# KiCad board control.kicad_pcb
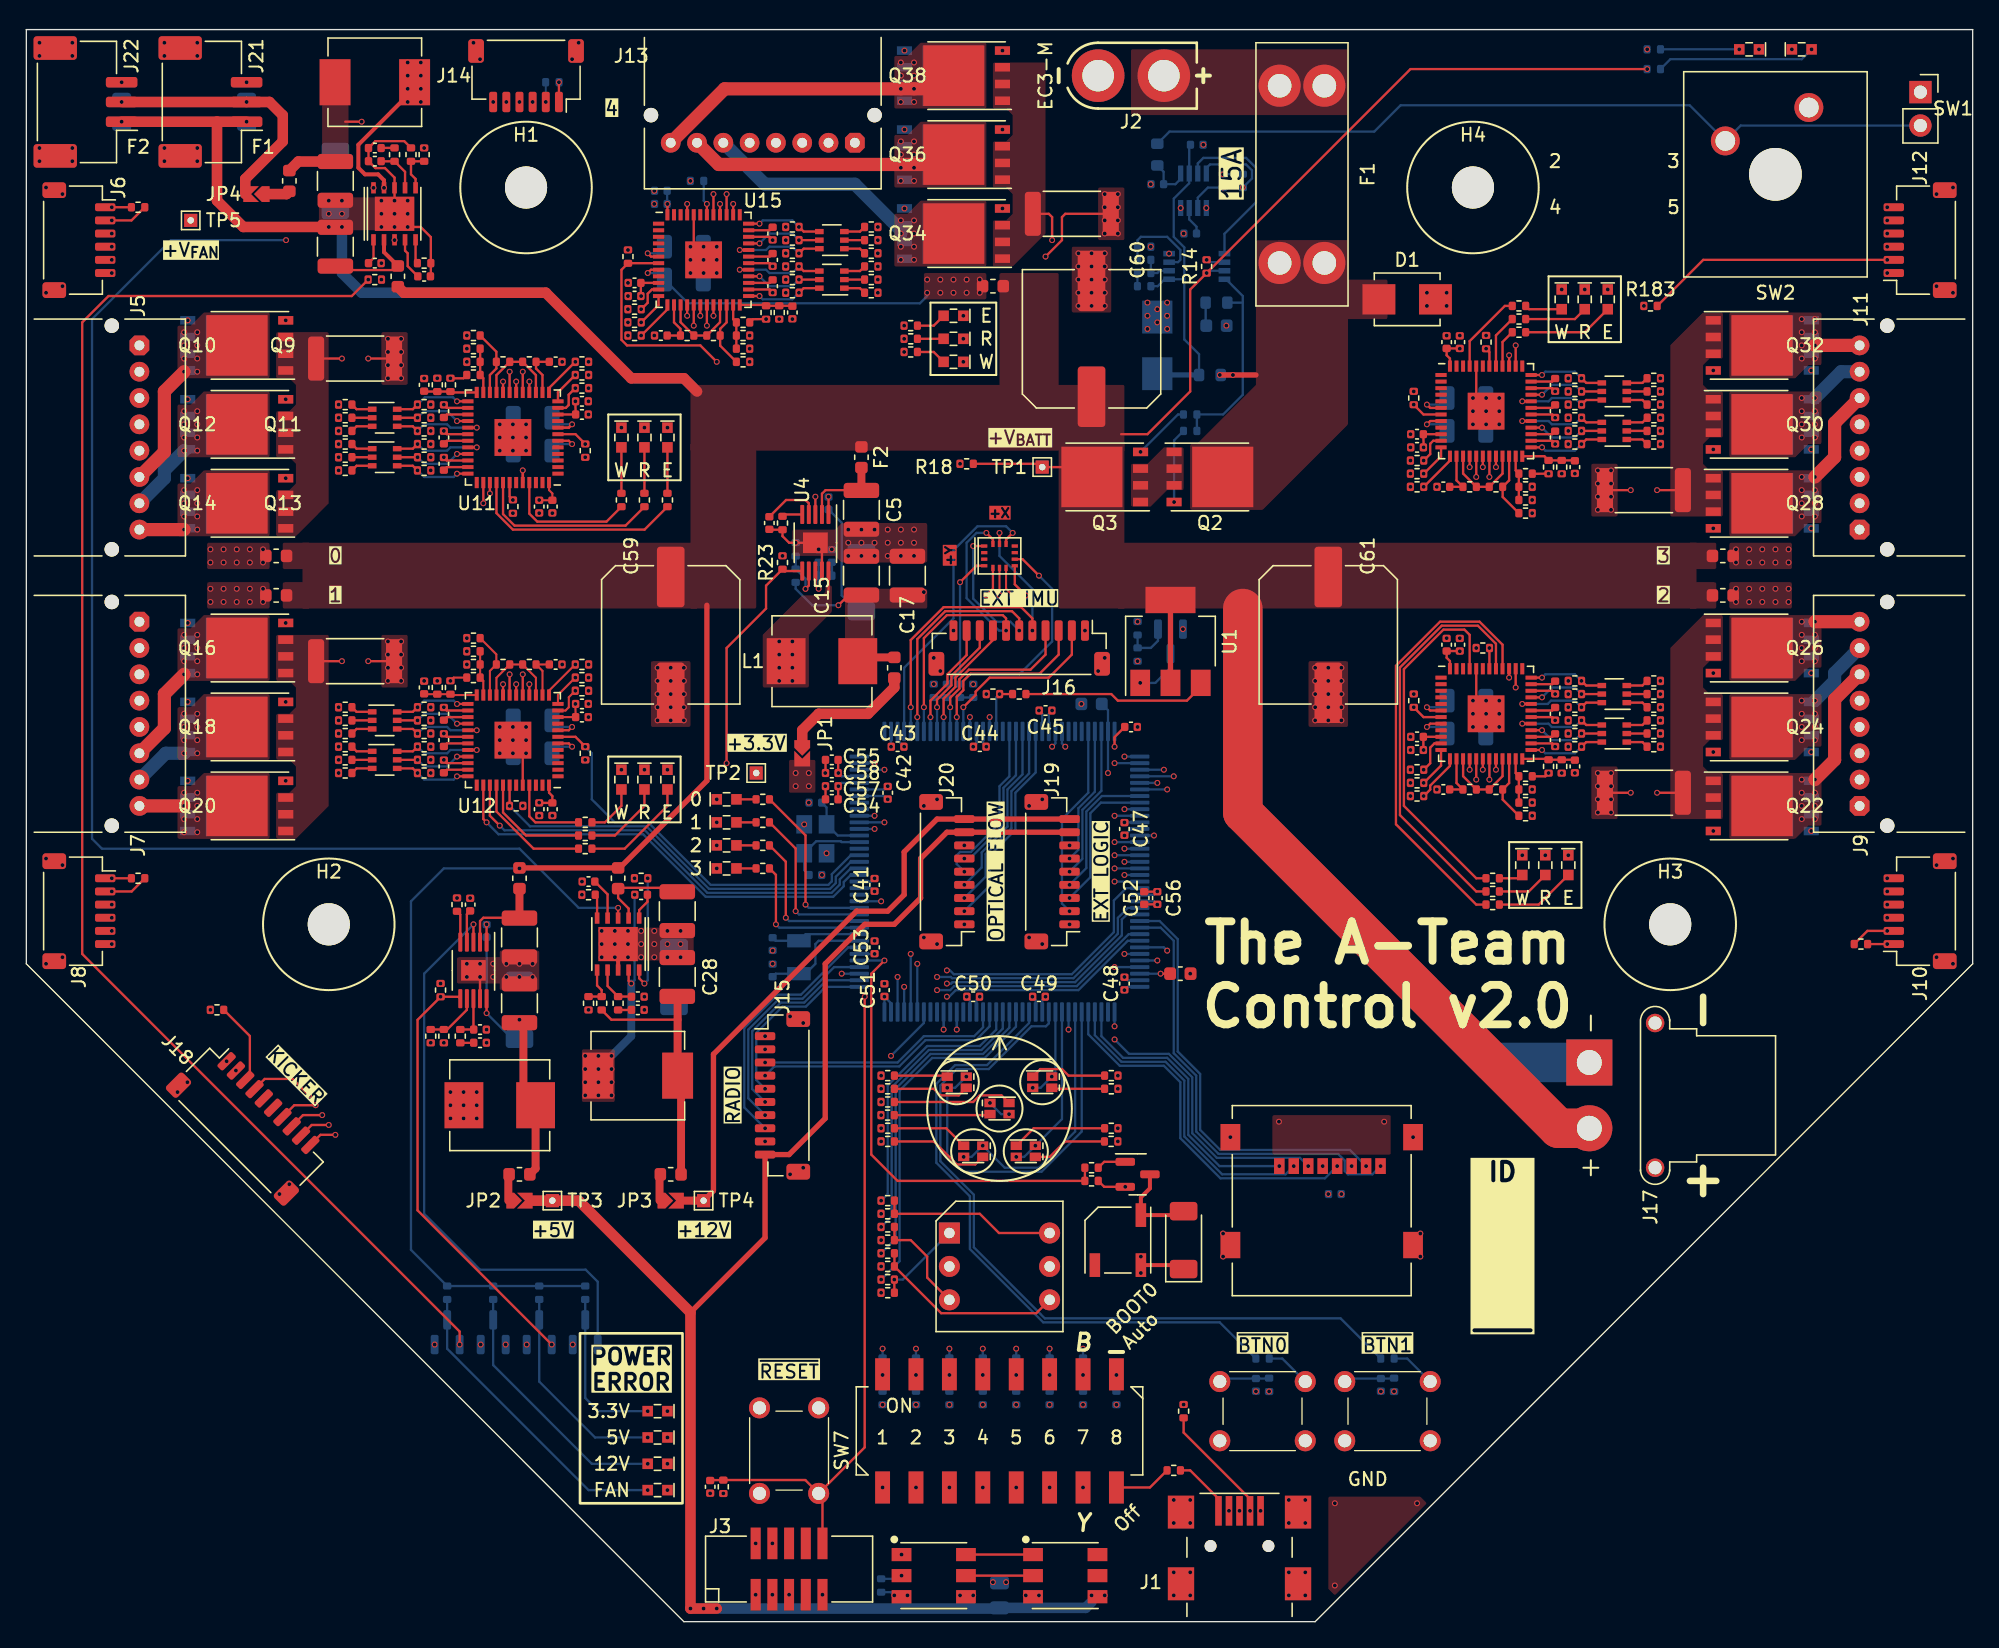
[diagram p0: board, top side]
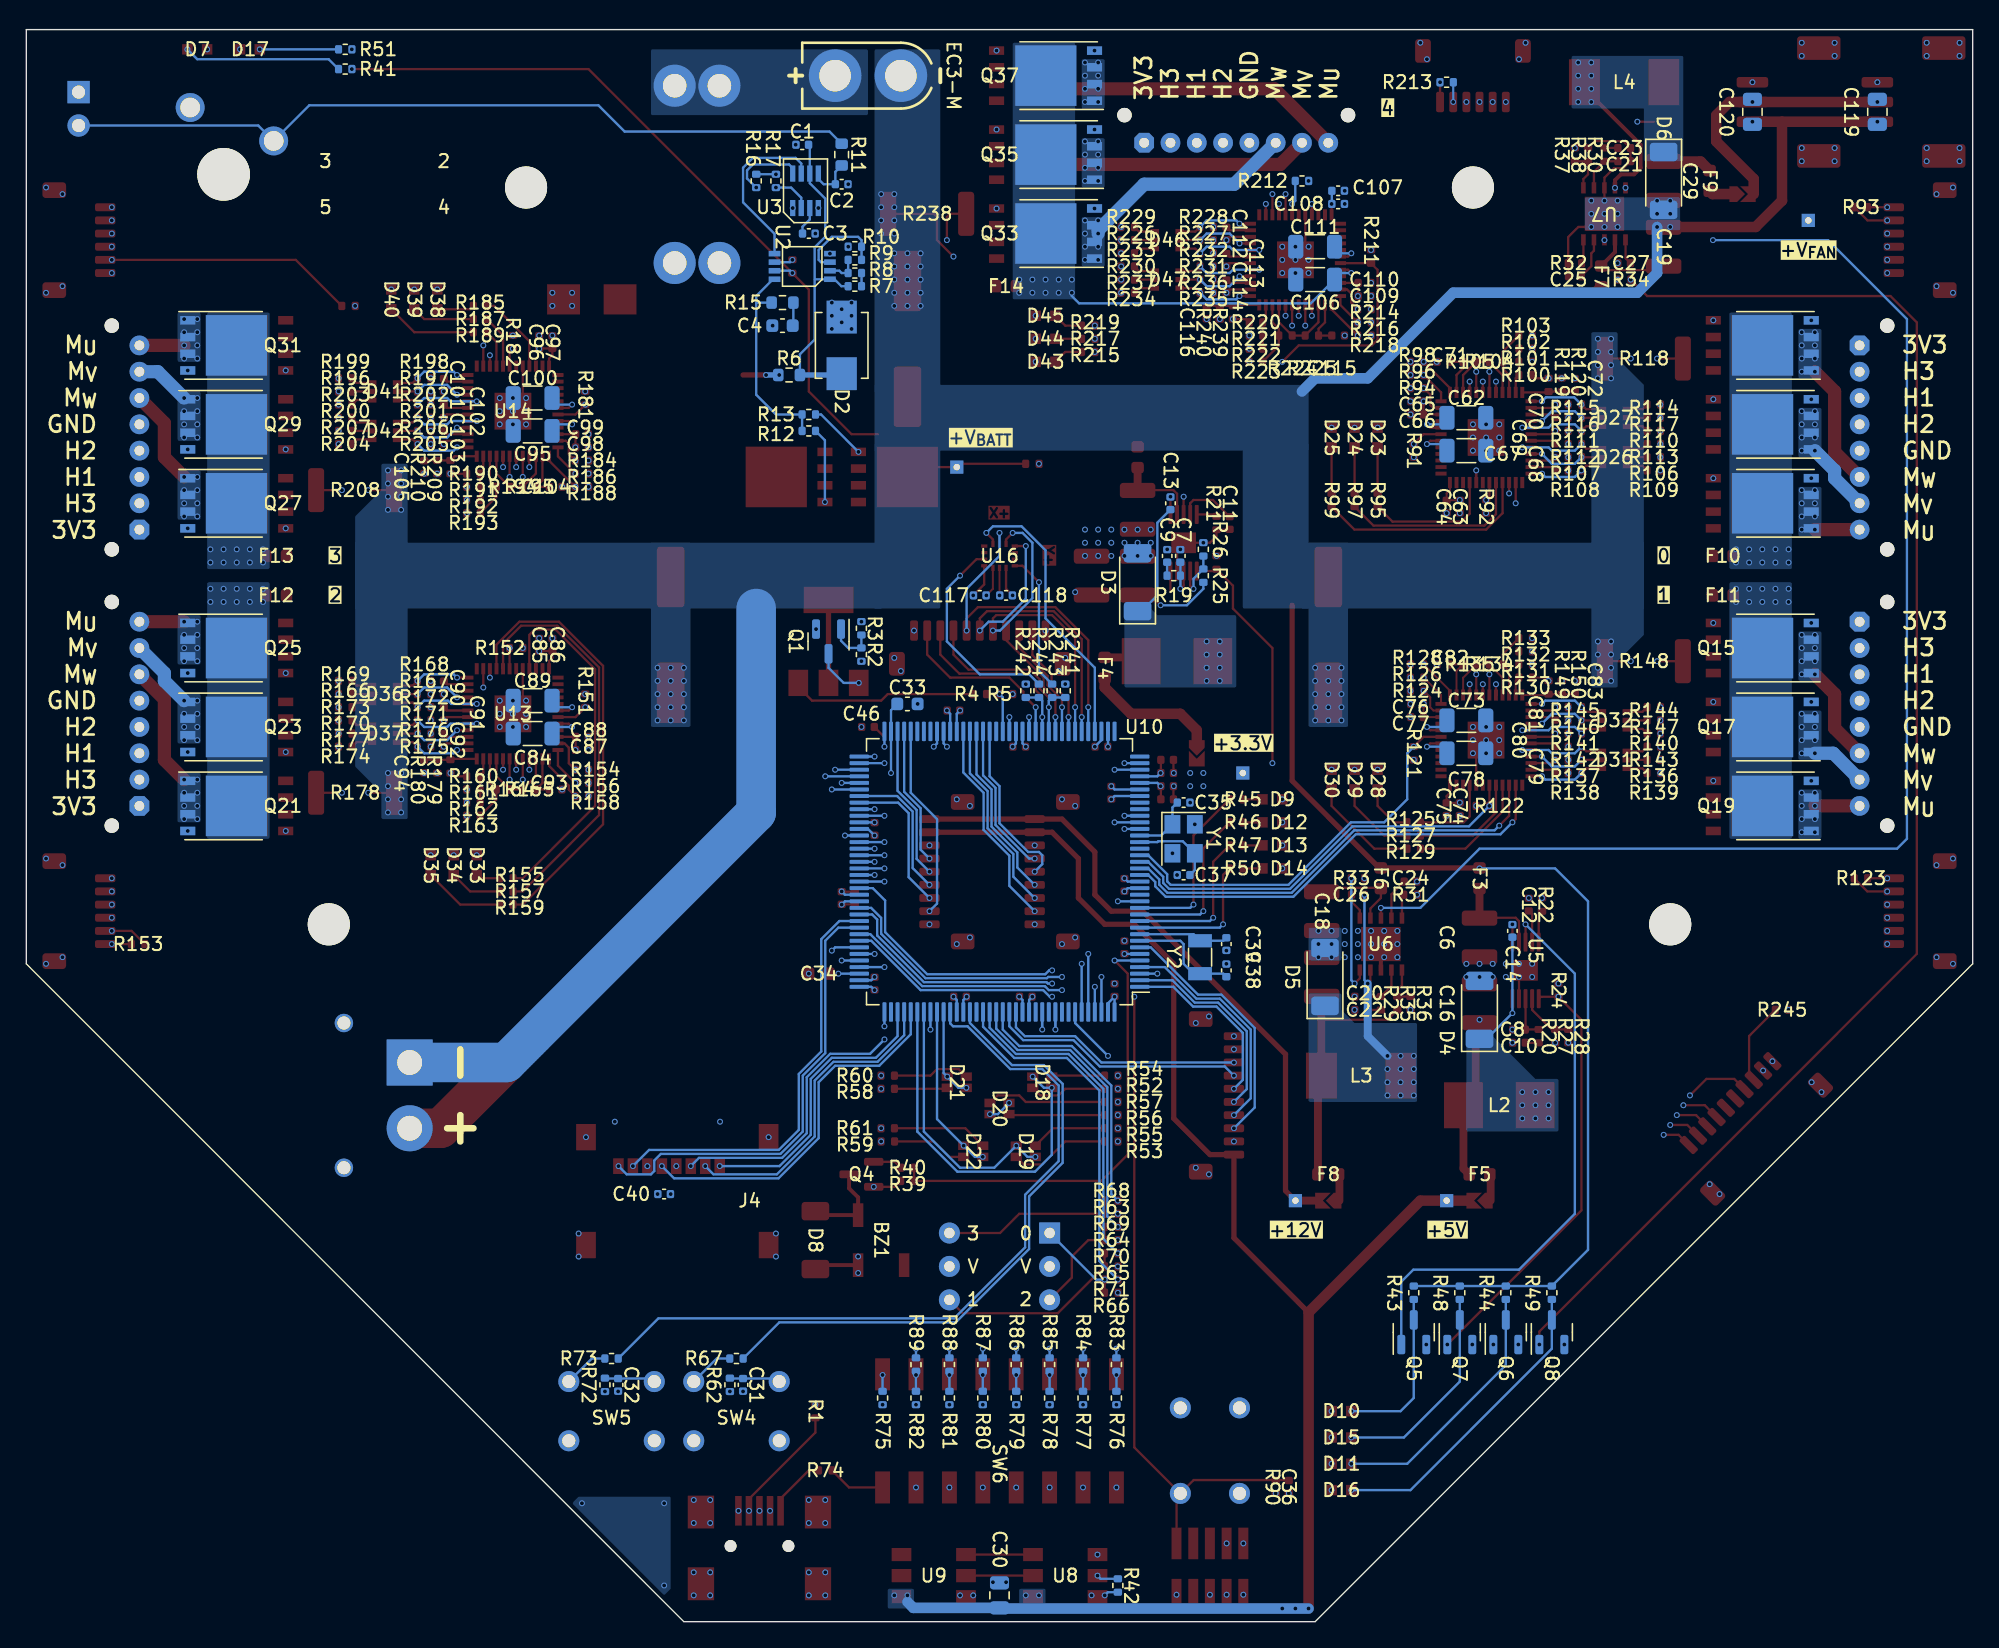
[diagram p1: board, bottom side, seen from below]

Outline 148 x 121 mm; copper layers: Top, In1.Cu, In2.Cu, In3.Cu, In4.Cu, Bottom. Coordinates in mm from the lower left corner of the outline.
Outline path: 0,121 148,121 148,50 98,0 50,0 0,50 0,121
Stack: Top 0.035mm / dielectric 0.0994mm 3313 er 4.05 / In1.Cu 0.0152mm / dielectric 0.535mm Core er 4.6 / In2.Cu 0.0152mm / dielectric 0.1088mm 2116 er 4.25 / In3.Cu 0.0152mm / dielectric 0.535mm Core er 4.6 / In4.Cu 0.0152mm / dielectric 0.0994mm 3313 er 4.05 / Bottom 0.035mm

## Placement (name value [footprint] x y rotation side)
BZ1  -  [MLT-5020]  83 29 90 top
C1  0.1uF 63V  [C_0402_1005Metric]  89 112.25 0 bottom
C2  0.1uF 63V  [C_0402_1005Metric]  86 109.25 180 bottom
C3  0.1uF 63V  [C_0402_1005Metric]  88.5 105.5 180 bottom
C4  4700pF 63V  [C_0603_1608Metric]  90.5 98.5 0 bottom
C5  4.7uF 63V  [C_1210_3225Metric]  63.5 84.5 270 top
C6  4.7uF 63V  [C_1210_3225Metric]  37.5 52 270 top
C7  36pF  [C_0402_1005Metric]  60.25 81 90 bottom
C8  24pF  [C_0402_1005Metric]  34.5 45 0 top
C9  2700pF  [C_0402_1005Metric]  61.25 81 90 bottom
C10  2200pF  [C_0402_1005Metric]  34.5 44 0 top
C11  10000pF  [C_0402_1005Metric]  56.5 83.5 270 top
C12  10000pF  [C_0402_1005Metric]  33.75 54.5 90 top
C13  0.1uF 63V  [C_0402_1005Metric]  61 85 270 bottom
C14  0.1uF 63V  [C_0402_1005Metric]  35 52.5 270 bottom
C15  100uF 10V  [C_1210_3225Metric]  63.5 79.5 90 top
C16  100uF 10V  [C_1210_3225Metric]  37.5 47 90 top
C17  100uF 10V  [C_1210_3225Metric]  67 79.5 90 top
C18  4.7uF 63V  [C_1210_3225Metric]  49.5 54 270 top
C19  4.7uF 63V  [C_1210_3225Metric]  23.5 104.5 90 top
C20  6.8pF  [C_0402_1005Metric]  46.5 47.5 0 top
C21  6.8pF  [C_0402_1005Metric]  26.5 111 180 top
C22  560pF  [C_0402_1005Metric]  46.5 46.5 0 top
C23  560pF  [C_0402_1005Metric]  26.5 112 180 top
C24  8200pF  [C_0402_1005Metric]  42.75 56.25 180 top
C25  8200pF  [C_0402_1005Metric]  30.25 102.25 0 top
C26  0.1uF 63V  [C_0402_1005Metric]  46.75 55.25 180 top
C27  0.1uF 63V  [C_0402_1005Metric]  26.5 103.25 0 top
C28  47uF 25V  [C_1210_3225Metric]  49.5 49 90 top
C29  47uF 25V  [C_1210_3225Metric]  23.5 109.5 270 top
C30  4.7uF 25V  [C_0805_2012Metric]  74 2 270 bottom
C31  0.1uF 63V  [C_0402_1005Metric]  93.5 18 270 bottom
C32  0.1uF 63V  [C_0402_1005Metric]  103 18 270 bottom
C33  2.2uF 10V  [C_0603_1608Metric]  81 69.75 180 bottom
C34  2.2uF 10V  [C_0603_1608Metric]  87.75 49.25 0 top
C35  11pF  [C_0402_1005Metric]  60 62.25 180 bottom
C36  0.1uF 63V  [C_0402_1005Metric]  52 10.25 270 top
C37  11pF  [C_0402_1005Metric]  60 56.75 0 bottom
C38  15pF  [C_0402_1005Metric]  56.75 49.5 90 bottom
C39  15pF  [C_0402_1005Metric]  56.75 51.5 270 bottom
C40  0.1uF 63V  [C_0402_1005Metric]  99.5 32.5 0 bottom
C41  0.1uF 63V  [C_0402_1005Metric]  64.5 56 270 top
C42  0.1uF 63V  [C_0402_1005Metric]  65.5 63 90 top
C43  0.1uF 63V  [C_0402_1005Metric]  66.25 66.5 180 top
C44  0.1uF 63V  [C_0402_1005Metric]  72.5 66.5 180 top
C45  0.1uF 63V  [C_0402_1005Metric]  77.5 69.25 180 top
C46  0.1uF 63V  [C_0402_1005Metric]  84 68 0 top
C47  0.1uF 63V  [C_0402_1005Metric]  83.5 60.25 90 top
C48  0.1uF 63V  [C_0402_1005Metric]  83.5 48.5 90 top
C49  0.1uF 63V  [C_0402_1005Metric]  77 47.5 0 top
C50  0.1uF 63V  [C_0402_1005Metric]  72 47.5 0 top
C51  0.1uF 63V  [C_0402_1005Metric]  65.25 48 90 top
C52  1uF 10V  [C_0402_1005Metric]  85 55 90 top
C53  0.1uF 63V  [C_0402_1005Metric]  64.5 51.25 90 top
C54  1uF 10V  [C_0402_1005Metric]  61.25 62.5 180 top
C55  1uF 10V  [C_0402_1005Metric]  61.25 65.5 180 top
C56  0.1uF 63V  [C_0402_1005Metric]  86 55 90 top
C57  0.1uF 63V  [C_0402_1005Metric]  61.25 63.5 180 top
C58  0.1uF 63V  [C_0402_1005Metric]  61.25 64.5 180 top
C59  EEEFK1J101P  [C_Elec_10x10.2]  49 75 270 top
C60  EEEFK1J101P  [C_Elec_10x10.2]  81 97.5 90 top
C61  EEEFK1J101P  [C_Elec_10x10.2]  99 75 270 top
C62  1uF 63V  [C_1206_3216Metric]  38.5 91.5 180 bottom
C63  1uF 10V  [C_0402_1005Metric]  39 84.75 270 top
C64  0.1uF 63V  [C_0402_1005Metric]  40 84.75 270 top
C65  1uF 10V  [C_0402_1005Metric]  42.25 92.75 0 top
C66  0.1uF 63V  [C_0402_1005Metric]  42.25 91.75 0 top
C67  1uF 63V  [C_1206_3216Metric]  38.5 89 180 bottom
C68  0.1uF 63V  [C_0402_1005Metric]  31.75 88 90 top
C69  0.1uF 63V  [C_0402_1005Metric]  31.75 90 90 top
C70  0.1uF 63V  [C_0402_1005Metric]  31.75 92 90 top
C71  1uF 10V  [C_0402_1005Metric]  40.25 95.75 0 top
C72  1uF 10V  [C_0402_1005Metric]  30.25 94 90 top
C73  1uF 63V  [C_1206_3216Metric]  38.5 68.5 180 bottom
C74  1uF 10V  [C_0402_1005Metric]  39 61.75 270 top
C75  0.1uF 63V  [C_0402_1005Metric]  40 61.75 270 top
C76  1uF 10V  [C_0402_1005Metric]  42.25 69.75 0 top
C77  0.1uF 63V  [C_0402_1005Metric]  42.25 68.75 0 top
C78  1uF 63V  [C_1206_3216Metric]  38.5 66 180 bottom
C79  0.1uF 63V  [C_0402_1005Metric]  31.75 65 90 top
C80  0.1uF 63V  [C_0402_1005Metric]  31.75 67 90 top
C81  0.1uF 63V  [C_0402_1005Metric]  31.75 69 90 top
C82  1uF 10V  [C_0402_1005Metric]  40.25 72.75 0 top
C83  1uF 10V  [C_0402_1005Metric]  30.25 71 90 top
C84  1uF 63V  [C_1206_3216Metric]  109.5 67.5 0 bottom
C85  1uF 10V  [C_0402_1005Metric]  109 74.25 90 top
C86  0.1uF 63V  [C_0402_1005Metric]  108 74.25 90 top
C87  1uF 10V  [C_0402_1005Metric]  105.75 66.25 180 top
C88  0.1uF 63V  [C_0402_1005Metric]  105.75 67.25 180 top
C89  1uF 63V  [C_1206_3216Metric]  109.5 70 0 bottom
C90  0.1uF 63V  [C_0402_1005Metric]  116.25 71 270 top
C91  0.1uF 63V  [C_0402_1005Metric]  116.25 69 270 top
C92  0.1uF 63V  [C_0402_1005Metric]  116.25 67 270 top
C93  1uF 10V  [C_0402_1005Metric]  107.75 63.25 180 top
C94  1uF 10V  [C_0402_1005Metric]  117.75 65 270 top
C95  1uF 63V  [C_1206_3216Metric]  109.5 90.5 0 bottom
C96  1uF 10V  [C_0402_1005Metric]  109 97.25 90 top
C97  0.1uF 63V  [C_0402_1005Metric]  108 97.25 90 top
C98  1uF 10V  [C_0402_1005Metric]  105.75 89.25 180 top
C99  0.1uF 63V  [C_0402_1005Metric]  105.75 90.25 180 top
C100  1uF 63V  [C_1206_3216Metric]  109.5 93 0 bottom
C101  0.1uF 63V  [C_0402_1005Metric]  116.25 94 270 top
C102  0.1uF 63V  [C_0402_1005Metric]  116.25 92 270 top
C103  0.1uF 63V  [C_0402_1005Metric]  116.25 90 270 top
C104  1uF 10V  [C_0402_1005Metric]  107.75 86.25 180 top
C105  1uF 10V  [C_0402_1005Metric]  117.75 87.75 270 top
C106  1uF 63V  [C_1206_3216Metric]  50 102 0 bottom
C107  1uF 10V  [C_0402_1005Metric]  48.25 108.75 180 bottom
C108  0.1uF 63V  [C_0402_1005Metric]  48.25 107.75 180 bottom
C109  1uF 10V  [C_0402_1005Metric]  46.25 100.75 180 top
C110  0.1uF 63V  [C_0402_1005Metric]  46.25 101.75 180 top
C111  1uF 63V  [C_1206_3216Metric]  50 104.5 0 bottom
C112  0.1uF 63V  [C_0402_1005Metric]  56.75 105.5 270 top
C113  0.1uF 63V  [C_0402_1005Metric]  56.75 103.5 270 top
C114  0.1uF 63V  [C_0402_1005Metric]  56.75 101.5 270 top
C115  1uF 10V  [C_0402_1005Metric]  48.25 97.75 180 top
C116  1uF 10V  [C_0402_1005Metric]  58.25 99.5 270 top
C117  0.1uF 63V  [C_0402_1005Metric]  75.5 78 180 bottom
C118  0.1uF 63V  [C_0402_1005Metric]  73.5 78 0 bottom
C119  4.7uF 25V  [C_0805_2012Metric]  7.25 114.75 90 bottom
C120  4.7uF 25V  [C_0805_2012Metric]  16.75 114.75 90 bottom
D1  SMBJ26CA  [D_SMB_Non-Polar]  105 100.5 180 top
D2  SMBJ26CA  [D_SMB_Non-Polar]  86 97 270 bottom
D3  RBR5LAM60ATR  [D_SOD-128]  63.5 79 90 bottom
D4  RBR5LAM60ATR  [D_SOD-128]  37.5 46.5 90 bottom
D5  RBR5LAM60ATR  [D_SOD-128]  49.25 49 90 bottom
D6  RBR5LAM60ATR  [D_SOD-128]  23.5 109.5 270 bottom
D7  XL-1608UWC-04  [LED0603]  135 119.5 0 top
D8  RBR5LAM60ATR  [D_SOD-128]  88 29 90 top
D9  XL-1608UGC-04  [LED0603]  53.25 62.5 0 top
D10  XL-1608SURC-06  [LED0603]  48 16 180 top
D11  XL-1608SURC-06  [LED0603]  48 12 180 top
D12  XL-1608UGC-04  [LED0603]  53.25 60.75 0 top
D13  XL-1608UGC-04  [LED0603]  53.25 59 0 top
D14  XL-1608UGC-04  [LED0603]  53.25 57.25 0 top
D15  XL-1608SURC-06  [LED0603]  48 14 180 top
D16  XL-1608SURC-06  [LED0603]  48 10 180 top
D17  XL-1608UOC-06  [LED0603]  131 119.5 180 top
D18  LTST-C195KGJRKT  [LED0606_S_1324]  70.75 41 90 top
D19  LTST-C195KGJRKT  [LED0606_S_1324]  72 35.75 90 top
D20  MHT194YBCT  [LED0606_Z_1324]  74 39 270 top
D21  LTST-C195KGJRKT  [LED0606_S_1324]  77.25 41 90 top
D22  LTST-C195KGJRKT  [LED0606_S_1324]  76 35.75 90 top
D23  XL-1608UOC-06  [LED0603]  45.25 90 270 top
D24  XL-1608UGC-04  [LED0603]  47 90 270 top
D25  XL-1608SURC-06  [LED0603]  48.75 90 270 top
D26  BAS16VY  [SOT-363_SC-70-6]  27.25 88.5 0 top
D27  BAS16VY  [SOT-363_SC-70-6]  27.25 91.5 0 top
D28  XL-1608UOC-06  [LED0603]  45.25 64 270 top
D29  XL-1608UGC-04  [LED0603]  47 64 270 top
D30  XL-1608SURC-06  [LED0603]  48.75 64 270 top
D31  BAS16VY  [SOT-363_SC-70-6]  27.25 65.5 0 top
D32  BAS16VY  [SOT-363_SC-70-6]  27.25 68.5 0 top
D33  XL-1608UOC-06  [LED0603]  113.75 57.5 270 top
D34  XL-1608UGC-04  [LED0603]  115.5 57.5 270 top
D35  XL-1608SURC-06  [LED0603]  117.25 57.5 270 top
D36  BAS16VY  [SOT-363_SC-70-6]  120.75 70.5 180 top
D37  BAS16VY  [SOT-363_SC-70-6]  120.75 67.5 180 top
D38  XL-1608UOC-06  [LED0603]  116.75 100.5 270 top
D39  XL-1608UGC-04  [LED0603]  118.5 100.5 270 top
D40  XL-1608SURC-06  [LED0603]  120.25 100.5 270 top
D41  BAS16VY  [SOT-363_SC-70-6]  120.75 93.5 180 top
D42  BAS16VY  [SOT-363_SC-70-6]  120.75 90.5 180 top
D43  XL-1608UOC-06  [LED0603]  70.5 95.75 180 top
D44  XL-1608UGC-04  [LED0603]  70.5 97.5 180 top
D45  XL-1608SURC-06  [LED0603]  70.5 99.25 180 top
D46  BAS16VY  [SOT-363_SC-70-6]  61.25 105 180 top
D47  BAS16VY  [SOT-363_SC-70-6]  61.25 102 180 top
F1  15A  [3557-2]  97 110 270 top
F2  0467002.NRHF  [Fuse_0603_1608Metric]  63.5 88.5 90 top
F3  0467002.NRHF  [Fuse_0603_1608Metric]  37.5 56.5 90 top
F4  0467002.NRHF  [Fuse_0603_1608Metric]  66 72.5 270 top
F5  0467002.NRHF  [Fuse_0603_1608Metric]  37.5 34 180 top
F6  0467002.NRHF  [Fuse_0603_1608Metric]  45 56.5 90 top
F7  0467002.NRHF  [Fuse_0603_1608Metric]  28.25 102.25 270 top
F8  0467004.NRHF  [Fuse_0603_1608Metric]  49 34 180 top
F9  0467004.NRHF  [Fuse_0603_1608Metric]  20 109.5 270 top
F10  0467003.NRHF  [Fuse_0603_1608Metric]  19 81 180 top
F11  0467003.NRHF  [Fuse_0603_1608Metric]  19 78 180 top
F12  0467003.NRHF  [Fuse_0603_1608Metric]  129 78 0 top
F13  0467003.NRHF  [Fuse_0603_1608Metric]  129 81 0 top
F14  0467003.NRHF  [Fuse_0603_1608Metric]  73.5 101.5 180 top
H1  M3  [MountingHole_3.2mm_M3]  38 109 0 top
H2  M3  [MountingHole_3.2mm_M3]  23 53 0 top
H3  M3  [MountingHole_3.2mm_M3]  125 53 0 top
H4  M3  [MountingHole_3.2mm_M3]  110 109 0 top
J1  -  [10033526-N3212LF]  92.25 5.75 0 top
J2  EC3-M  [EC3-M_TH_WireMount]  84 117.5 0 top
J3  -  [20021521-00010C1LF]  58 4 0 top
J4  -  [MEM2067-02-180-00-A]  98.5 32 180 top
J5  S08B-PASK-2  [JST_PA_S08B-PASK-2_1x08_P2.00mm_Horizontal]  6.5 90 90 top
J6  SM06B-SRSS-TB  [JST_SH_SM06B-SRSS-TB_1x06-1MP_P1.00mm_Horizontal]  4 105 270 top
J7  S08B-PASK-2  [JST_PA_S08B-PASK-2_1x08_P2.00mm_Horizontal]  6.5 69 90 top
J8  SM06B-SRSS-TB  [JST_SH_SM06B-SRSS-TB_1x06-1MP_P1.00mm_Horizontal]  4 54 270 top
J9  S08B-PASK-2  [JST_PA_S08B-PASK-2_1x08_P2.00mm_Horizontal]  141.5 69 270 top
J10  SM06B-SRSS-TB  [JST_SH_SM06B-SRSS-TB_1x06-1MP_P1.00mm_Horizontal]  144 54 90 top
J11  S08B-PASK-2  [JST_PA_S08B-PASK-2_1x08_P2.00mm_Horizontal]  141.5 90 270 top
J12  SM06B-SRSS-TB  [JST_SH_SM06B-SRSS-TB_1x06-1MP_P1.00mm_Horizontal]  144 105 90 top
J13  S08B-PASK-2  [JST_PA_S08B-PASK-2_1x08_P2.00mm_Horizontal]  56 114.5 0 top
J14  SM06B-SRSS-TB  [JST_SH_SM06B-SRSS-TB_1x06-1MP_P1.00mm_Horizontal]  38 117.5 180 top
J15  BM10B-SRSS-TB  [JST_SH_BM10B-SRSS-TB_1x10-1MP_P1.00mm_Vertical]  57.5 40 270 top
J16  BM11B-SRSS-TB  [JST_SH_BM11B-SRSS-TB_1x11-1MP_P1.00mm_Vertical]  75.5 74 180 top
J17  XT30PW-F  [AMASS_XT30PW-F_1x02_P2.50mm_Horizontal]  118.85 42.5 270 top
J18  SM10B-SRSS-TB  [JST_SH_SM10B-SRSS-TB_1x10-1MP_P1.00mm_Horizontal]  17 38 315 top
J19  BM09B-SRSS-TB  [JST_SH_BM09B-SRSS-TB_1x09-1MP_P1.00mm_Vertical]  78 57 90 top
J20  BM09B-SRSS-TB  [JST_SH_BM09B-SRSS-TB_1x09-1MP_P1.00mm_Vertical]  70 57 90 top
J21  BM03B-ZESS-TBT  [JST_ZE_BM03B-ZESS-TBT_1x03-1MP_P1.50mm_Vertical]  14 115.5 90 top
J22  BM03B-ZESS-TBT  [JST_ZE_BM03B-ZESS-TBT_1x03-1MP_P1.50mm_Vertical]  4.5 115.5 90 top
JP1  SB_{+3.3V}  [SolderJumper-2_2.0x1.2mm_Closed]  59 66 270 top
JP2  SB_{+5V}  [SolderJumper-2_2.0x1.2mm_Closed]  37.5 32 0 top
JP3  SB_{+12V}  [SolderJumper-2_2.0x1.2mm_Closed]  49 32 0 top
JP4  SB_{FAN}  [SolderJumper-2_2.0x1.2mm_Closed]  17.5 108.5 180 top
L1  PA4341.103ANLT  [PA4341]  60.5 73 0 top
L2  PA4341.103ANLT  [PA4341]  36 39.25 0 top
L3  0630CDMCCDS-4R7MC  [0630CDMCCDS]  46.5 41.5 0 top
L4  0630CDMCCDS-4R7MC  [0630CDMCCDS]  26.5 117 180 top
Q1  SI2310-TP  [SOT-23]  87 74.5 270 bottom
Q2  STL90N10F7  [PowerFLAT_5x6]  90 87 0 top
Q3  STL90N10F7  [PowerFLAT_5x6]  82 87 180 top
Q4  SI2310-TP  [SOT-23]  84.5 34 0 top
Q5  BSS138K  [SOT-23]  42.5 22 90 bottom
Q6  BSS138K  [SOT-23]  35.5 22 90 bottom
Q7  BSS138K  [SOT-23]  39 22 90 bottom
Q8  BSS138K  [SOT-23]  32 22 90 bottom
Q9  STL90N10F7  [PowerFLAT_5x6]  15 97 0 bottom
Q10  STL90N10F7  [PowerFLAT_5x6]  17 97 180 top
Q11  STL90N10F7  [PowerFLAT_5x6]  15 91 0 bottom
Q12  STL90N10F7  [PowerFLAT_5x6]  17 91 180 top
Q13  STL90N10F7  [PowerFLAT_5x6]  15 85 0 bottom
Q14  STL90N10F7  [PowerFLAT_5x6]  17 85 180 top
Q15  STL90N10F7  [PowerFLAT_5x6]  15 74 0 bottom
Q16  STL90N10F7  [PowerFLAT_5x6]  17 74 180 top
Q17  STL90N10F7  [PowerFLAT_5x6]  15 68 0 bottom
Q18  STL90N10F7  [PowerFLAT_5x6]  17 68 180 top
Q19  STL90N10F7  [PowerFLAT_5x6]  15 62 0 bottom
Q20  STL90N10F7  [PowerFLAT_5x6]  17 62 180 top
Q21  STL90N10F7  [PowerFLAT_5x6]  133 62 180 bottom
Q22  STL90N10F7  [PowerFLAT_5x6]  131 62 0 top
Q23  STL90N10F7  [PowerFLAT_5x6]  133 68 180 bottom
Q24  STL90N10F7  [PowerFLAT_5x6]  131 68 0 top
Q25  STL90N10F7  [PowerFLAT_5x6]  133 74 180 bottom
Q26  STL90N10F7  [PowerFLAT_5x6]  131 74 0 top
Q27  STL90N10F7  [PowerFLAT_5x6]  133 85 180 bottom
Q28  STL90N10F7  [PowerFLAT_5x6]  131 85 0 top
Q29  STL90N10F7  [PowerFLAT_5x6]  133 91 180 bottom
Q30  STL90N10F7  [PowerFLAT_5x6]  131 91 0 top
Q31  STL90N10F7  [PowerFLAT_5x6]  133 97 180 bottom
Q32  STL90N10F7  [PowerFLAT_5x6]  131 97 0 top
Q33  STL90N10F7  [PowerFLAT_5x6]  69.5 105.5 0 bottom
Q34  STL90N10F7  [PowerFLAT_5x6]  71.5 105.5 180 top
Q35  STL90N10F7  [PowerFLAT_5x6]  69.5 111.5 0 bottom
Q36  STL90N10F7  [PowerFLAT_5x6]  71.5 111.5 180 top
Q37  STL90N10F7  [PowerFLAT_5x6]  69.5 117.5 0 bottom
Q38  STL90N10F7  [PowerFLAT_5x6]  71.5 117.5 180 top
R1  4.7k  [R_0402_1005Metric]  88 16 270 top
R2  10  [R_0402_1005Metric]  84.5 73.5 270 bottom
R3  4.7k  [R_0402_1005Metric]  84.5 75.5 90 bottom
R4  130k  [R_0402_1005Metric]  75.5 70.5 180 top
R5  11k  [R_0402_1005Metric]  73.5 70.5 180 top
R6  1k  [R_0603_1608Metric]  90 94.75 0 bottom
R7  10M  [R_0402_1005Metric]  85 101.5 180 bottom
R8  1.5M  [R_0402_1005Metric]  85 102.5 0 bottom
R9  69.8k  [R_0402_1005Metric]  85 103.5 180 bottom
R10  232k  [R_0402_1005Metric]  85 104.5 0 bottom
R11  1k  [R_0603_1608Metric]  86 111.5 90 bottom
R12  10  [R_0402_1005Metric]  88.5 90.5 0 bottom
R13  10  [R_0402_1005Metric]  88.5 91.75 180 bottom
R14  10k  [R_0402_1005Metric]  89.75 103 90 top
R15  5.1k  [R_0603_1608Metric]  90.5 100.25 180 bottom
R16  1.5M  [R_0402_1005Metric]  92.5 109.5 270 bottom
R17  1.5M  [R_0402_1005Metric]  91 109.5 270 bottom
R18  4.7k  [R_0402_1005Metric]  71.5 88 180 top
R19  18.7k  [R_0402_1005Metric]  60.75 79.5 0 bottom
R20  23.7k  [R_0402_1005Metric]  33 44.5 270 top
R21  162k  [R_0402_1005Metric]  57.5 83.5 270 top
R22  162k  [R_0402_1005Metric]  32.75 54.5 90 top
R23  4.7k  [R_0402_1005Metric]  57.5 80.5 270 top
R24  4.7k  [R_0402_1005Metric]  31.5 48 270 top
R25  30.9k  [R_0402_1005Metric]  58.5 79.5 90 bottom
R26  10k  [R_0402_1005Metric]  58.5 81.5 90 bottom
R27  52.3k  [R_0402_1005Metric]  31.75 44.5 90 top
R28  10k  [R_0402_1005Metric]  30.75 44.5 270 top
R29  56.2k  [R_0402_1005Metric]  45 47 270 top
R30  56.2k  [R_0402_1005Metric]  28 111.5 90 top
R31  61.9k  [R_0402_1005Metric]  42.75 55.25 180 top
R32  61.9k  [R_0402_1005Metric]  30.25 103.25 0 top
R33  4.7k  [R_0402_1005Metric]  46.75 56.5 0 top
R34  4.7k  [R_0402_1005Metric]  26.5 102 180 top
R35  140k  [R_0402_1005Metric]  43.75 47 90 top
R36  10k  [R_0402_1005Metric]  42.75 47 270 top
R37  140k  [R_0402_1005Metric]  30.25 111.5 270 top
R38  10k  [R_0402_1005Metric]  29.25 111.5 90 top
R39  4.7k  [R_0402_1005Metric]  81 33.5 0 top
R40  10  [R_0402_1005Metric]  81 34.5 0 top
R41  23.7k  [R_0402_1005Metric]  123.75 118 0 bottom
R42  4.7k  [R_0402_1005Metric]  65 2.75 270 bottom
R43  10k  [R_0402_1005Metric]  42.5 25 270 bottom
R44  10k  [R_0402_1005Metric]  35.5 25 270 bottom
R45  10k  [R_0402_1005Metric]  56 62.5 180 top
R46  10k  [R_0402_1005Metric]  56 60.75 180 top
R47  10k  [R_0402_1005Metric]  56 59 180 top
R48  10k  [R_0402_1005Metric]  39 25 270 bottom
R49  10k  [R_0402_1005Metric]  32 25 270 bottom
R50  10k  [R_0402_1005Metric]  56 57.25 180 top
R51  10k  [R_0402_1005Metric]  123.75 119.5 0 bottom
R52  10k  [R_0402_1005Metric]  65.5 40.5 0 top
R53  10k  [R_0402_1005Metric]  65.5 36.5 0 top
R54  10k  [R_0402_1005Metric]  65.5 41.5 180 top
R55  10k  [R_0402_1005Metric]  65.5 37.5 180 top
R56  10k  [R_0402_1005Metric]  65.49 38.5 0 top
R57  10k  [R_0402_1005Metric]  65.5 39.5 180 top
R58  10k  [R_0402_1005Metric]  82.5 40.5 180 top
R59  10k  [R_0402_1005Metric]  82.49 36.5 180 top
R60  10k  [R_0402_1005Metric]  82.5 41.5 0 top
R61  10k  [R_0402_1005Metric]  82.5 37.5 0 top
R62  4.7k  [R_0402_1005Metric]  94.5 18 270 bottom
R63  4.7k  [R_0402_1005Metric]  65.5 31 0 top
R64  4.7k  [R_0402_1005Metric]  65.5 29 0 top
R65  4.7k  [R_0402_1005Metric]  65.5 27 0 top
R66  4.7k  [R_0402_1005Metric]  65.5 25 0 top
R67  100  [R_0402_1005Metric]  94 20 180 bottom
R68  100  [R_0402_1005Metric]  65.5 32 180 top
R69  100  [R_0402_1005Metric]  65.5 30 180 top
R70  100  [R_0402_1005Metric]  65.5 28 180 top
R71  100  [R_0402_1005Metric]  65.5 26 180 top
R72  4.7k  [R_0402_1005Metric]  104 18 270 bottom
R73  100  [R_0402_1005Metric]  103.5 20 180 bottom
R74  10k  [R_0402_1005Metric]  87.25 11.5 0 top
R75  16k  [R_0402_1005Metric]  82.89 17 90 bottom
R76  4.7k  [R_0402_1005Metric]  65.11 17 90 bottom
R77  4.7k  [R_0402_1005Metric]  67.65 17 90 bottom
R78  4.7k  [R_0402_1005Metric]  70.19 17 90 bottom
R79  4.7k  [R_0402_1005Metric]  72.73 17 90 bottom
R80  4.7k  [R_0402_1005Metric]  75.27 17 90 bottom
R81  4.7k  [R_0402_1005Metric]  77.81 17 90 bottom
R82  4.7k  [R_0402_1005Metric]  80.35 17 90 bottom
R83  100  [R_0402_1005Metric]  65.11 19.54 90 bottom
R84  100  [R_0402_1005Metric]  67.65 19.54 90 bottom
R85  100  [R_0402_1005Metric]  70.19 19.54 90 bottom
R86  100  [R_0402_1005Metric]  72.73 19.54 90 bottom
R87  100  [R_0402_1005Metric]  75.27 19.54 90 bottom
R88  100  [R_0402_1005Metric]  77.81 19.54 90 bottom
R89  100  [R_0402_1005Metric]  80.35 19.54 90 bottom